# Altium PCB bqZUM_Core_Rev.2.6.PcbDoc (part 2 of 2)
Units mm, origin at the board's own origin, x right, y up, seen from the top; angles counter-clockwise.
Board outline 70.83 x 53.34 mm, 2 copper layers (Top Layer, Bottom Layer), stack 1.27 mm thick; 121 components, 127 nets, 592 pads, 255 vias.
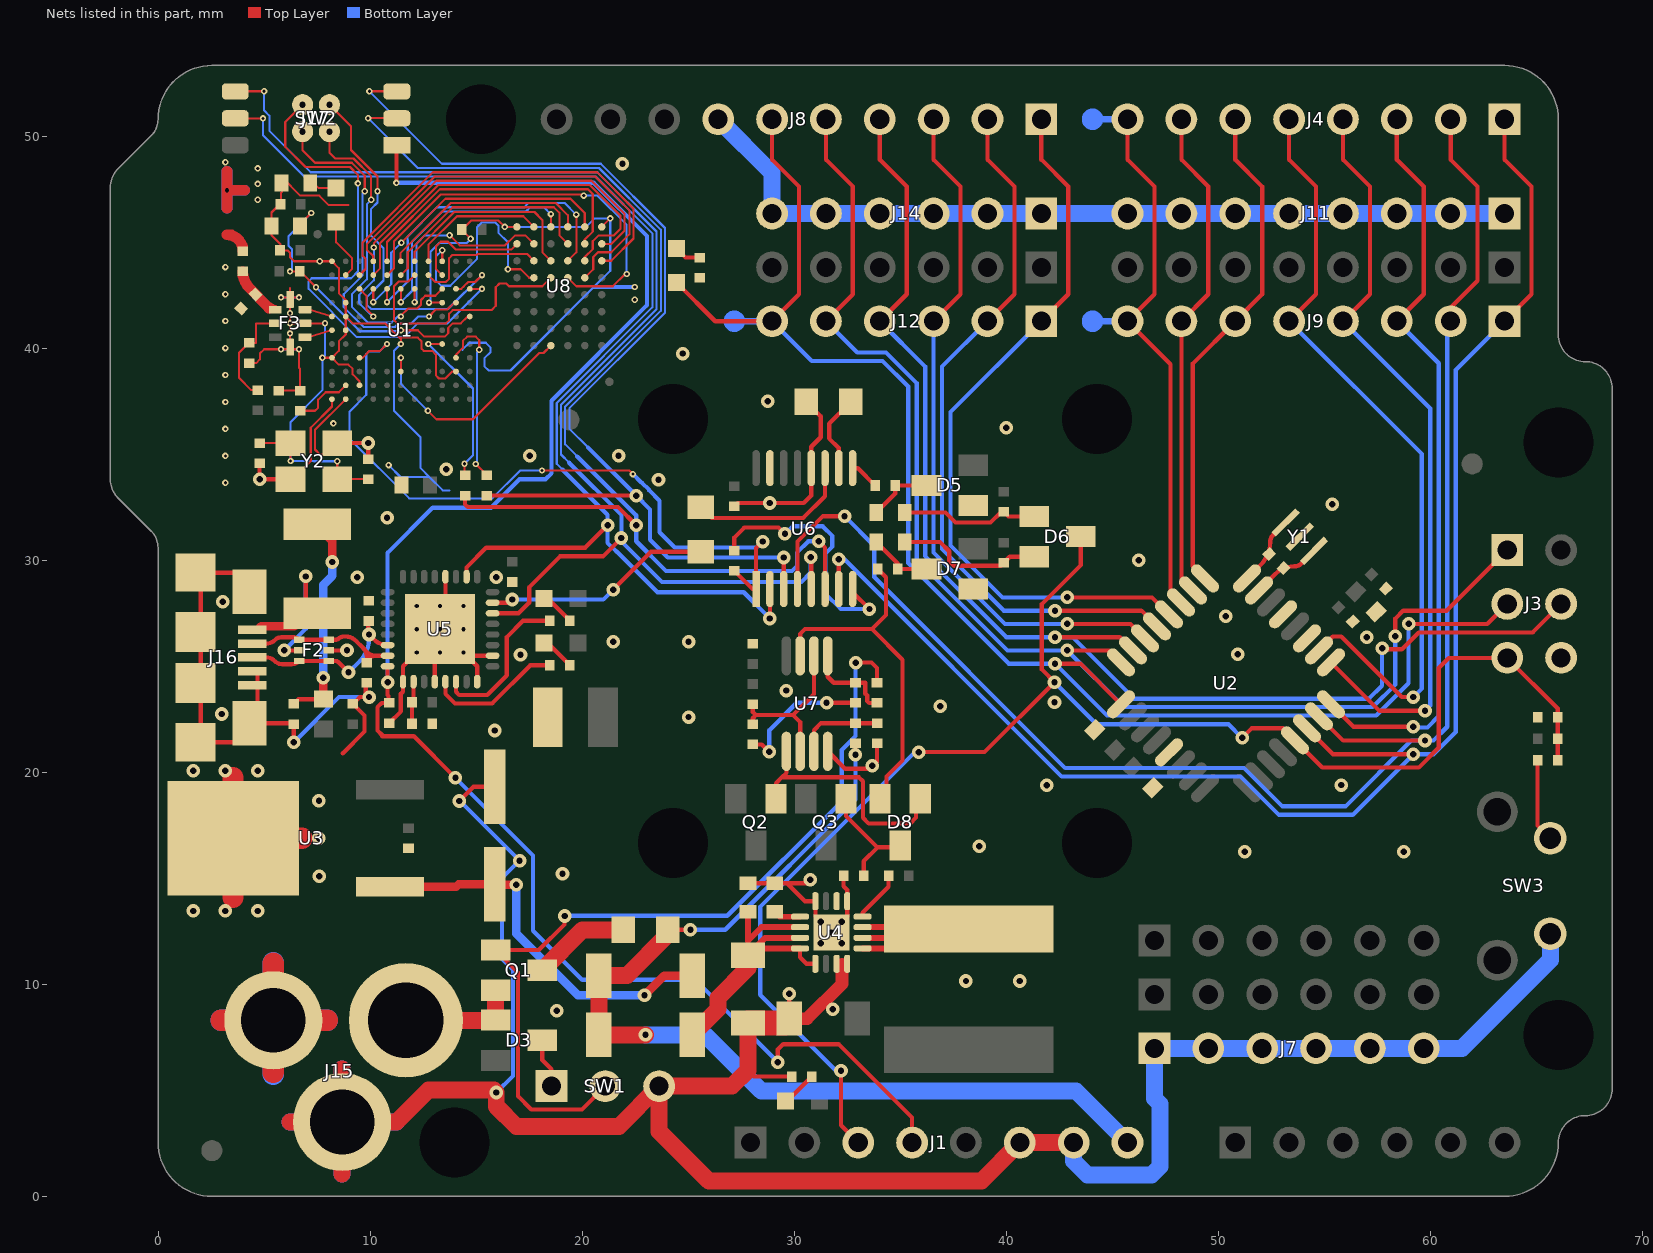
[diagram p2: the nets of this part, all layers, seen from the top]

## Via types
v1: diameter 0.64, hole 0.3, Top Layer to Bottom Layer, 129 vias
v2: diameter 0.3, hole 0.15, Top Layer to Bottom Layer, 110 vias
v3: diameter 0.5, hole 0.2, Top Layer to Bottom Layer, 9 vias
v4: diameter 0.5, hole 0.3, Top Layer to Bottom Layer, 5 vias
v5: diameter 0.56, hole 0.3, Top Layer to Bottom Layer, 2 vias

## Nets (pads, with @x,y where several pads share a name; then routed paths per layer and width w, separated by ;. In a path a pad name is that pad's centre, name@x,y a point inside that pad or via, vN(x,y) a via of type N, cw(c..) or ccw(c..) an arc to the next point about the centre after c; other vN are vias at no path point) (continued)
BT_CLK: J17.2 U1.C10 | length 18.7
  Top Layer w0.1: J17.2@8.085,51.485 9.1,50.47 9.1,49.349 10.35,48.099 v2(10.35,47.4) ; U1.C10@14.05,42.8 14.3,42.8 14.415,42.915 14.415,42.918 14.622,43.125 14.95,43.125 v2(15.275,43.45)
  Bottom Layer w0.1: v2(10.35,47.4) 10.35,46.876 10.049,46.575 10.049,45.3 10.635,44.714 10.635,43.195 9.85,42.41 9.85,42.05 10.05,41.85 13.675,41.85 v2(15.275,43.45)
BT_CSB: J17.1 U1.C11 | length 24.4
  Top Layer w0.1: J17.1@6.815,51.485 6,50.67 6,49.5 6.95,48.55 9.05,48.55 9.425,48.175 v2(9.425,47.775) ; U1.C11@14.7,42.8 v2(15.275,42.8)
  Bottom Layer w0.1: v2(9.425,47.775) 9.425,43.617 9.108,43.3 7.25,43.3 7.1,43.15 7.1,42.801 9.376,40.525 11.6,40.525 12.249,41.174 13.649,41.174 v2(15.275,42.8)
BT_MISO: J17.4 U1.C9 | length 15.3
  Top Layer w0.1: J17.4@8.085,50.215 8.085,49.215 8.35,48.95 9.216,48.95 10.05,48.116 v2(10.05,47) ; v2(11.45,41.5) 11.45,41.525 11.8,41.875 12.224,41.875 12.4,42.051 12.4,42.275 12.6,42.475 13.075,42.475 U1.C9@13.4,42.8
  Bottom Layer w0.1: v2(10.05,47) 9.849,46.799 9.849,43.25 9.142,42.543 9.142,41.958 9.9,41.2 11,41.2 11.3,41.5 v2(11.45,41.5)
BT_MOSI: J17.3 U1.D10 | length 17.1
  Top Layer w0.1: J17.3@6.815,50.215 6.815,49.335 7.4,48.75 9.133,48.75 9.75,48.133 v2(9.75,47.4) ; v2(12.775,41.5) 13.1,41.825 13.642,41.825 13.967,42.15 U1.D10@14.05,42.15
  Bottom Layer w0.1: v2@9.75,47.45 v2(9.75,47.4) 9.649,47.299 9.649,43.443 8.76,42.554 8.76,41.94 9.7,41 11.176,41 11.351,41.175 11.95,41.175 12.275,41.5 v2(12.775,41.5)
BT_RX: R3.2 SW2.3 U6.3 | length 51.1
  Top Layer w0.1: v2(9.965,52.12) SW2.3@11.11,52.12
  Top Layer w0.2: R3.2@15.497,33.05 v1(22.55,33.05) ; U6.3@29.505,28.646 v1(29.505,30.132)
  Bottom Layer w0.1: v2(9.965,52.12) 13.385,48.7 20.879,48.7 23.91,45.669 23.91,41.679 19.4,37.169 19.4,36.2 20.28,35.32
  Bottom Layer w0.2: 20.28,35.32 v1(22.55,33.05) 23.2,32.4 23.2,30.97 24.038,30.132 v1(29.505,30.132)
BT_TX: R27.2 SW2.2 U6.6 | length 56.5
  Top Layer w0.1: v2(9.905,50.85) SW2.2@11.11,50.85
  Top Layer w0.2: R27.2@14.478,33.053 14.478,32.639 14.605,32.512 21.688,32.512 v1(22.55,31.65) ; v1(31.15,30.9) 31.455,30.595 U6.6@31.455,28.646
  Bottom Layer w0.1: v2(9.905,50.85) 12.255,48.5 20.796,48.5 23.71,45.586 23.71,41.762 19.2,37.252 19.2,35.47 19.77,34.9
  Bottom Layer w0.2: 19.77,34.9 22.55,32.12 v1(22.55,31.65) 22.55,30.9 23.95,29.5 29.9,29.5 30.129,29.729 30.129,30.361 30.668,30.9 v1(31.15,30.9)
D0: J4.1 J9.1 U2.30 U6.7 | length 73.5
  Top Layer w0.2: U6.7@32.105,28.646 v1@32.105,30.045 ; U2.30@54.183,22.076 55.409,20.85 v1(59.2,20.85) ; J9.1@63.5,41.275 64.77,42.545 64.77,47.625 63.5,48.895 J4.1@63.5,50.8
  Bottom Layer w0.2: v1(32.1,30.05) 32.369,30.05 42.614,19.805 51.052,19.805 52.862,17.995 56.345,17.995 v1(59.2,20.85) 60.15,20.85 61.2,21.9 61.2,38.975 J9.1@63.5,41.275
D1: J4.2 J9.2 U2.31 U6.4 | length 76.7
  Top Layer w0.2: U6.4@30.155,28.646 30.155,30.881 31.355,32.081 v1(32.375,32.081) ; U2.31@54.749,22.641 55.89,21.5 v1(59.75,21.5) ; J9.2@60.96,41.275 60.96,41.91 62.23,43.18 62.23,47.625 60.96,48.895 J4.2@60.96,50.8
  Bottom Layer w0.2: v1(32.375,32.081) 33.776,30.68 33.776,29.208 42.779,20.205 51.217,20.205 53.028,18.395 55.995,18.395 59.1,21.5 v1(59.75,21.5) ; v1@59.725,21.475 v1(59.75,21.5) ; J9.2@60.96,41.275 60.8,41.115 60.8,22.15 60.15,21.5 v1(59.75,21.5)
D2: J4.3 J9.3 U2.32 | length 35.8
  Top Layer w0.2: U2.32@55.315,23.207 56.372,22.15 v1(59.2,22.15) ; J9.3@58.42,41.275 59.69,42.545 59.69,47.625 58.42,48.895 J4.3@58.42,50.8
  Bottom Layer w0.2: J9.3@58.42,41.275 60.4,39.295 60.4,22.65 59.87,22.12 59.23,22.12 v1(59.2,22.15)
D3: J4.4 J9.4 U2.1 | length 36.1
  Top Layer w0.2: U2.1@55.315,25.187 57.602,22.9 v1(59.75,22.9) ; J9.4@55.88,41.275 57.15,42.545 57.15,47.625 55.88,48.895 J4.4@55.88,50.8
  Bottom Layer w0.2: J9.4@55.88,41.275 60,37.155 60,23.15 v1(59.75,22.9)
D4: J4.5 J9.5 U2.2 | length 37
  Top Layer w0.2: J9.5@53.34,41.275 54.61,42.545 54.61,47.625 53.34,48.895 J4.5@53.34,50.8 ; U2.2@54.749,25.753 55.396,26.4 55.8,26.4 58.65,23.55 v1(59.2,23.55)
  Bottom Layer w0.2: J9.5@53.34,41.275 59.6,35.015 59.6,23.95 v1(59.2,23.55)
D5: J4.6 J9.6 U2.9 | length 23.8
  Top Layer w0.2: U2.9@49.375,29.147 48.8,29.722 48.8,39.275 J9.6@50.8,41.275 52.07,42.545 52.07,47.625 50.8,48.895 J4.6@50.8,50.8
D6: J4.7 J9.7 U2.10 | length 23.5
  Top Layer w0.2: J4.7@48.26,50.8 48.26,48.895 49.53,47.625 49.53,42.545 J9.7@48.26,41.275 48.26,29.13 U2.10@48.809,28.581
D7: J4.8 J9.8 U2.11 | length 31.4
  Top Layer w0.2: J4.8@45.72,50.8 45.72,48.895 46.99,47.625 46.99,42.545 J9.8@45.72,41.275 47.75,39.245 47.75,28.509 U2.11@48.244,28.015
  Bottom Layer w0.3: 44.069,41.275 J9.8@45.72,41.275 ; 44.069,50.8 J4.8@45.72,50.8
  Bottom Layer w0.5: 44.323,41.275 ccw(c44.069,41.275) 44.323,41.275 ; 44.323,50.8 ccw(c44.069,50.8) 44.323,50.8
D8: J8.1 J12.1 U2.12 | length 35.2
  Top Layer w0.2: J12.1@41.197,40.816 J12.1@41.656,41.275 42.926,42.545 42.926,47.625 41.656,48.895 J8.1@41.656,50.8 ; v1(42.875,28.25) 46.878,28.25 U2.12@47.678,27.45
  Bottom Layer w0.2: J12.1@41.656,41.275 37.376,36.995 37.376,30.699 39.825,28.25 v1(42.875,28.25)
D9: J8.2 J12.2 U2.13 | length 33.9
  Top Layer w0.2: J12.2@39.116,41.275 40.386,42.545 40.386,47.625 39.116,48.895 J8.2@39.116,50.8 ; v1(42.3,27.625) 46.371,27.625 U2.13@47.112,26.884
  Bottom Layer w0.2: J12.2@39.116,41.275 36.976,39.135 36.976,30.534 39.885,27.625 v1(42.3,27.625)
D10: J8.3 J12.3 U2.14 | length 33.1
  Top Layer w0.2: J12.3@36.576,41.275 37.846,42.545 37.846,47.625 36.576,48.895 J8.3@36.576,50.8 ; v1(42.875,27) 45.865,27 U2.14@46.547,26.318
  Bottom Layer w0.2: J12.3@36.576,41.275 36.576,30.368 39.944,27 v1(42.875,27)
D11: J3.4 J8.4 J12.4 U2.15 | length 62.2
  Top Layer w0.2: J12.4@34.036,41.275 35.306,42.545 35.306,47.625 34.036,48.895 J8.4@34.036,50.8 ; v1(42.3,26.375) 45.359,26.375 U2.15@45.981,25.753 ; v1(57.725,25.85) 57.77,25.805 58.657,25.805 59.452,26.6 64.827,26.6 J3.4@66.167,27.94
  Bottom Layer w0.2: J12.4@34.036,41.275 36.176,39.135 36.176,30.202 40.003,26.375 v1(42.3,26.375) 43.127,26.375 46.027,23.475 57.117,23.475 57.725,24.083 v1(57.725,25.85)
D12: J3.1 J8.5 J12.5 U2.16 | length 62.8
  Top Layer w0.2: J12.5@31.496,41.275 32.766,42.545 32.766,47.625 31.496,48.895 J8.5@31.496,50.8 ; v1(42.875,25.75) 44.852,25.75 U2.16@45.415,25.187 ; v1(58.35,26.425) 58.35,27.252 58.718,27.62 60.767,27.62 J3.1@63.627,30.48
  Bottom Layer w0.2: J12.5@31.496,41.275 32.971,39.8 34.331,39.8 35.776,38.355 35.776,30.037 40.063,25.75 v1(42.875,25.75) 45.55,23.075 57.283,23.075 58.35,24.142 v1(58.35,26.425)
D13: D13.A J3.3 J8.6 J12.6 U2.17 | length 75.1
  Top Layer w0.2: D13.A@24.45,43.1 26.275,41.275 J12.6@28.956,41.275 30.226,42.545 30.226,47.625 28.956,48.895 J8.6@28.956,50.8 ; v1(42.3,25.125) 43.497,25.125 U2.17@45.415,23.207 ; v1(58.975,27) 62.687,27 J3.3@63.627,27.94 J3.3@63.25,27.94
  Bottom Layer w0.2: J12.6@28.956,40.894 J12.6@28.956,41.275 30.831,39.4 34.166,39.4 35.376,38.19 35.376,29.871 40.122,25.125 v1(42.3,25.125) 44.75,22.675 57.448,22.675 58.975,24.202 v1(58.975,27)
  Bottom Layer w0.3: 27.051,41.275 27.432,41.275 J12.6@28.956,41.275
  Bottom Layer w0.5: 27.432,41.275 ccw(c27.178,41.275) 27.432,41.275
DQ0: U1.A4 U8.E2 | length 19.7
  Top Layer w0.1: U1.A4@10.15,44.1 10.15,44.35 9.85,44.65 9.85,44.907 13.043,48.1 20.625,48.1 22.225,46.5 22.225,45.375 21.375,44.525 20.75,44.525 20.525,44.3 20.525,43.725 U8.E2@20.125,43.325
DQ1: U1.C4 U8.H2 | length 14.4
  Top Layer w0.1: v2(10.15,42.175) U1.C4@10.15,42.8 ; v2(11.476,44.977) 13.549,47.05 19.45,47.05 20.125,46.375 U8.H2@20.125,45.725
  Bottom Layer w0.1: v2(10.15,42.175) 11,43.025 11,44.501 v2(11.476,44.977)
DQ2: U1.B5 U8.E3 | length 19.7
  Top Layer w0.1: U1.B5@10.8,43.45 11.125,43.775 11.125,45.051 13.324,47.25 20.025,47.25 v2(20.075,47.2) ; U8.E3@19.325,43.325 19.725,42.925 21.45,42.925 22.025,43.5 v2(22.1,43.5)
  Bottom Layer w0.1: v2(20.075,47.2) 20.725,47.2 22.1,45.825 v2(22.1,43.5)
DQ3: U1.A6 U8.H3 | length 10.1
  Top Layer w0.1: U1.A6@11.45,44.1 11.425,44.125 11.425,44.475 13.8,46.85 18.75,46.85 19.325,46.275 U8.H3@19.325,45.725
DQ4: U1.C6 U8.H4 | length 11.6
  Top Layer w0.1: v2(11.45,42.175) 11.45,42.275 U1.C6@11.45,42.8 ; U8.H4@18.525,45.725 v2(18.525,46.325)
  Bottom Layer w0.1: v2(11.45,42.175) 11.976,42.701 11.976,45.026 13.4,46.45 17.35,46.45 17.549,46.649 18.201,46.649 v2(18.525,46.325)
DQ5: U1.B7 U8.E4 | length 11.9
  Top Layer w0.1: U1.B7@12.1,43.45 11.8,43.15 11.35,43.15 11.125,42.925 11.125,41.325 11.275,41.175 13.575,41.175 13.725,41.325 13.725,41.625 13.9,41.8 15.725,41.8 15.925,42 15.925,42.875 16.1,43.05 16.425,43.05 16.55,42.925 18.125,42.925 U8.E4@18.525,43.325
DQ6: U1.A8 U8.H5 | length 6.5
  Top Layer w0.1: U1.A8@12.75,44.1 12.75,44.55 12.75,44.875 14.1,46.225 17.225,46.225 U8.H5@17.725,45.725
DQ7: U1.A9 U8.E5 | length 10.9
  Top Layer w0.1: U1.A9@13.4,44.1 v2(13.4,44.625) ; v2(16.5,43.725) 17.1,43.725 17.5,43.325 U8.E5@17.725,43.325
  Bottom Layer w0.1: v2(13.4,44.625) 13.1,44.325 13.1,43.2 13.35,42.95 13.784,42.95 15.05,44.216 15.05,45.72 15.26,45.93 15.91,45.93 16.05,45.79 16.05,45.45 16.5,45 v2(16.5,43.725)
DQ8: U1.B4 U8.F2 | length 18
  Top Layer w0.1: U1.B4@10.15,43.45 10.475,43.775 10.475,44.966 13.209,47.7 20.358,47.7 21.8,46.258 21.8,45.625 21.5,45.325 20.775,45.325 20.5,45.05 20.5,44.675 20.125,44.3 U8.F2@20.125,44.125
DQ9: U1.A5 U8.G2 | length 14.2
  Top Layer w0.1: U1.A5@10.8,44.1 10.8,45.009 13.291,47.5 20.275,47.5 20.5,47.275 20.5,45.5 20.125,45.125 U8.G2@20.125,44.925
DQ10: U1.C5 U8.F3 | length 15.3
  Top Layer w0.1: v2(10.8,42.175) U1.C5@10.8,42.8 ; U8.F3@19.325,44.125 19.725,44.525 v2(19.725,46.3)
  Bottom Layer w0.1: v2(10.8,42.175) 11.776,43.151 11.776,45.101 11.772,45.105 11.772,45.273 13.149,46.65 17.267,46.65 17.466,46.849 19.176,46.849 v2(19.725,46.3)
DQ11: U1.B6 U8.G3 | length 11
  Top Layer w0.1: U1.B6@11.45,43.45 11.775,43.775 11.775,44.525 13.9,46.65 18.667,46.65 18.925,46.392 18.925,45.325 U8.G3@19.325,44.925
DQ12: U1.A7 U8.F4 | length 9.5
  Top Layer w0.1: U1.A7@12.1,44.1 12.1,44.55 13.975,46.425 17.75,46.425 18.125,46.05 18.125,44.525 U8.F4@18.525,44.125
DQ13: U1.C7 U8.G5 | length 9.7
  Top Layer w0.1: v2(12.1,42.175) U1.C7@12.1,42.8 ; v2@13.775,45.35 v2(13.75,45.325) 14.225,44.85 16.365,44.85 16.84,45.325 17.325,45.325 U8.G5@17.725,44.925
  Bottom Layer w0.1: v2(12.1,42.175) 12.185,42.26 12.185,44.932 12.578,45.325 v2(13.75,45.325)
DQ14: U1.B8 U8.F5 | length 6.4
  Top Layer w0.1: U1.B8@12.75,43.45 13.075,43.125 13.575,43.125 13.725,43.275 13.725,44.25 13.875,44.4 15.025,44.4 15.075,44.45 16.79,44.45 17.4,44.45 U8.F5@17.725,44.125
DQ15: U1.B9 U8.G6 | length 5.7
  Top Layer w0.1: U1.B9@13.4,43.45 13.1,43.75 13.1,44.8 13.325,45.025 13.675,45.025 14.05,44.65 16.65,44.65 U8.G6@16.925,44.925
GND: C1.1 C2.1 C3.1 C4.1 C5.1 C8.2 C9.2 C10.1 C11.1 C12.1 C13.1 C14.1 C15.1 C16.1 C17.1 C18.1 C19.1 C20.1 C21.2 C22.2 C25.2 C26.1 C27.1 C28.1 C29.1 C30.1 C31.1 C32.1 C33.1 C34.1 C35.2 Cp.1 D5.1 D7.1 F2.2 F3.4 F3.6 F3.8 J1.6 J1.7 J3.6 J7.1 J7.2 J7.3 J7.4 J7.5 J7.6 J8.7 J11.1 J11.2 J11.3 J11.4 J11.5 J11.6 J11.7 J11.8 J14.1 J14.2 J14.3 J14.4 J14.5 J14.6 J15.2 J15.3 J16.4 J16.5 J16.S1 J16.S2 J16.S3 J16.S4 J16.S5 J16.S6 R2.1 R4.1 R5.1 R11.1 R12.1 R18.1 R22.1 R24.1 R25.1 R26.1 SW1.3 SW3.2 U1.A1 U1.D2 U1.D9 U1.E2 U1.F2 U1.H1 U1.J10 U1.K3 U2.3 U2.5 U2.21 U3.2 U4.5 U4.6 U4.8 U4.15 U4.16 U5.4 U5.17 U5.20 U5.24 U5.26 U5.33 U6.8 U6.12 U6.15 U7.4 U8.H1 U8.H6 Y1.2 Y2.2 Y2.4 | length 385.9
  Top Layer w0.1: C33.1@4.3,39.3 4.625,39.3 4.8,39.475 4.8,39.75 5,39.95 v2(5.8,39.95) F3.4@6.225,39.95 ; C28.1@4.79,35.525 Y2.4@6.25,35.525 v2(6.25,34.68) v2@6.25,34.67 ; C31.1@5.7,38 C34.1@6.675,38 ; v2(5.8,42.4) F3.8@6.225,42.4 ; C30.1@5.8,46.85 5.35,46.4 5.35,45.325 5.775,44.9 5.775,44.775 5.944,44.606 6.119,44.606 6.225,44.5 6.225,44.295 6.42,44.1 v2(7.625,44.1) U1.A1@8.2,44.1 8.525,43.775 8.525,42.6 8.85,42.275 U1.D2@8.85,42.15 U1.E2@8.85,41.5 ; C30.1@5.8,46.875 5.8,47.325 5.85,47.375 R2.1@5.85,47.8 ; R2.1@5.825,47.8 R2.1@5.85,47.8 ; 6.225,42.842 F3.8@6.225,42.4 ; v2(6.65,42.4) F3.8@6.225,42.4 ; C34.1@6.7,38 6.7,39.025 6.65,39.075 v2(6.65,39.95) F3.4@6.225,39.95 ; v2(7.75,39.55) U1.H1@8.2,39.55 ; v2(7.875,41.175) v2(6.225,41.175) ; v2@8.45,34.72 v2(8.45,34.67) Y2.2@8.45,33.825 C29.1@9.91,33.825 ; 8.97,46.75 8.05,46.75 7.6,47.2 6.7,47.2 5.85,48.05 R2.1@5.85,47.8 ; U1.K3@9.5,38.25 9.5,38.45 9.175,38.775 9.175,39.025 8.975,39.225 8.525,39.225 U1.H1@8.2,39.55 ; v2(11.45,40.2) 11.45,40.425 11.375,40.5 ; v2(12.775,42.15) U1.D9@13.4,42.15 ; U1.J10@14.05,38.9 13.875,38.9 13.55,38.575 13.25,38.575 13.1,38.725 13.1,39.7 12.925,39.875 12.525,39.875 12.425,39.975 12.425,40.325 12.25,40.5 11.375,40.5 ; C35.2@14.325,45.6 C35.2@14.325,45.575 ; v2(14.74,45.16) C35.2@14.325,45.575 ; U8.H6@16.925,45.725 v2(16.35,45.725) 16.05,46.025 14.775,46.025 C35.2@14.325,45.575 ; U8.H1@20.925,45.725 v2(21.325,46.125) ; F3.4@6.225,39.95 v2(6.225,40.7) v2(6.225,41.175) ; v2(6.225,41.175) v2(6.225,41.65) F3.8@6.225,42.4 ; U1.H1@8.2,39.55 8.525,39.875 8.525,40.325 8.85,40.65 8.85,41.175 U1.E2@8.85,41.5 ; U1.E2@8.85,41.5 9.175,41.175 10.7,41.175 11.375,40.5
  Top Layer w0.2: J16.S5@4.562,28.517 3.662,29.417 2.012,29.417 2.012,21.417 3.77,21.417 4.562,22.209 4.562,22.317 C16.1@6.355,22.317 ; J16.S6@4.687,22.442 J16.4@4.687,24.767 ; J15.3@5.434,7.352 J15.3@5.434,8.306 ; v1(6.397,21.413) C16.1@6.397,22.275 ; F2.2@8.05,25.75 v1(8.91,25.75) ; J15.2@8.684,3.506 J15.2@8.684,4.102 ; 8.715,20.9 9.741,21.926 9.741,22.675 C17.1@9.191,23.225 9.516,23.55 v1(9.95,23.55) 9.8,23.7 C19.1@9.8,24.325 ; C21.2@10.9,22.325 11.45,22.875 11.45,23.7 11.55,23.8 11.55,25 v3(13.3,26.75) ; U5.20@13.05,24.275 13.05,25.4 v3(13.3,25.65) ; U5.4@13.55,29.225 13.55,28.1 v3(13.3,27.85) ; v1(14.206,18.649) 14.875,19.318 C8.2@15.875,19.318 ; U5.24@15.05,24.275 15.05,25 U5.33@14.55,25.5 ; U5.26@15.775,25.5 U5.33@14.55,25.5 ; R12.1@27.178,30.447 27.178,31.078 27.65,31.55 29.26,31.55 v1(29.565,31.245) ; C22.2@27.178,32.545 27.333,32.7 30.45,32.7 30.805,33.055 U6.12@30.805,34.346 30.805,35.355 31.25,35.8 31.25,36.788 R11.1@30.573,37.465 ; 27.813,5.939 28.102,5.65 R5.1@29.875,5.65 ; C12.1@27.813,14.772 C13.1@29.083,14.772 29.654,14.772 ; R24.1@28.044,21.315 28.473,21.315 v1(28.821,20.967) ; C14.1@29.769,8.382 v1(29.77,9.557) ; v1@30.594,14.772 29.654,14.772 ; v4(31.25,12.946) 31,13.196 U4.8@31,13.921 30.505,13.921 29.654,14.772 ; v1(31.526,23.28) R25.1@32.887,23.28 ; U7.4@31.582,20.991 32.41,20.163 33.585,20.163 33.911,20.489 R22.1@33.911,21.369 ; R26.1@32.327,15.125 32.327,14.624 32.5,14.451 U4.5@32.5,13.921 U4.16@32.5,13.196 ; U6.8@32.755,28.646 32.755,28.495 v1(33.55,27.7) ; v3(12.2,27.85) v3(13.3,26.75) ; v3(12.2,27.85) v3(12.2,26.75) v3(13.3,26.75) ; v3(12.2,27.85) v3(13.3,27.85) ; v3(13.3,25.65) v3(14.4,25.65) ; v3(13.3,25.65) v3(13.3,26.75) ; v3(13.3,26.75) v3(14.4,25.65) ; v3(13.3,26.75) v3(13.3,27.85) ; v3(13.3,27.85) v3(14.4,27.85) v3(14.4,26.75) v3(14.4,25.65) ; v3(14.4,25.65) U5.33@14.55,25.5
  Top Layer w0.5: 3.25,46.607 3.25,47.45 ; 3.25,48.345 3.25,47.45 ; 4.08,47.45 3.25,47.45
  Top Layer w0.6: C14.1@29.769,8.382 30.607,8.382 32.25,10.025 32.25,10.935
  Top Layer w0.8: 6.224,3.506 J15.2@8.684,3.506 ; 8.684,1.046 J15.2@8.684,3.506 ; J15.2@8.684,4.102 8.684,6.003 ; 13.049,5.018 13.047,5.016 ; C11.1@27.813,8.179 27.813,5.939 27.074,5.2 SW1.3@23.63,5.2 ; J1.7@43.18,2.54 J1.6@40.64,2.54 38.827,0.727 25.973,0.727 23.63,3.07 SW1.3@23.63,5.2 ; J15.2@8.684,3.506 11.25,3.506 12.76,5.016 13.047,5.016 ; 13.047,5.016 15.834,5.016 v1(15.95,4.9) 15.95,4.25 16.9,3.3 21.73,3.3 SW1.3@23.63,5.2
  Top Layer w1: 2.974,8.306 J15.3@5.434,8.306 ; 3.539,14.097 U3.2@3.539,16.891 ; 3.539,19.741 U3.2@3.539,16.891 ; 5.434,5.846 J15.3@5.434,7.352 ; 5.434,10.995 J15.3@5.434,8.306 ; 6.789,16.891 U3.2@3.539,16.891 ; 7.994,8.306 J15.3@5.434,8.306
  Top Layer w1.2: C11.1@27.813,8.179 C14.1@29.566,8.179
  Bottom Layer w0.1: v2(5.8,39.95) 6.225,39.95 ; v2(5.8,42.4) 6.225,42.4 ; v2(6.65,39.95) 6.225,39.95 ; v2(6.65,42.4) 6.225,42.4 ; v2(7.875,41.175) 7.875,39.675 v2(7.75,39.55) 7.75,38.025 6.25,36.525 v2(6.25,34.68) 7.35,34.68 7.36,34.67 v2(8.45,34.67) ; v2(10.873,34.487) 11.431,33.929 12.796,33.929 ; v2(11.45,40.2) 11.125,39.875 11.125,37.05 12.381,35.794 12.381,34.344 12.796,33.929 ; v2(12.775,42.15) 12.85,42.225 12.85,44.55 13.27,44.97 14.57,44.97 14.74,45.14 v2(14.74,45.16) ; 13.75,33.3 13.425,33.3 12.796,33.929 ; 14.35,39.925 14.685,40.26 15.455,40.26 15.685,40.03 15.685,39.82 15.39,39.525 15.39,39.15 15.59,38.95 16.62,38.95 20.555,42.885 21.325,43.655 v2(21.325,46.125) 20.6,46.125 ; v2(16.35,45.725) 20.2,45.725 20.6,46.125 ; 20.575,46.125 20.6,46.125 ; 6.225,39.95 v2(6.225,40.7) v2(6.225,41.175) v2(6.225,41.65) 6.225,42.4
  Bottom Layer w0.2: v1(6.397,21.413) 8.534,23.55 v1(9.95,23.55) v1@10.048,23.55 ; v1(14.206,18.649) 14.237,18.649 v1(17.048,15.838) 16.225,15.015 16.225,11.191 16.734,10.682 16.734,5.684 v1(15.95,4.9) ; 20.555,42.885 v2(22.48,42.885) ; v1(28.821,20.967) 28.821,21.98 30.121,23.28 v1(31.526,23.28) ; v1(29.565,31.245) 29.92,31.6 31.35,31.6 31.8,31.15 31.8,30.65 31.46,30.31 31.46,28.44 32.2,27.7 v1(33.55,27.7)
  Bottom Layer w0.5: 3.25,46.606 3.25,47.45 ; 3.25,48.345 3.25,47.45 ; 4.081,47.45 3.25,47.45
  Bottom Layer w0.8: 6.224,3.506 J15.2@8.684,3.506 ; 8.684,1.046 J15.2@8.684,3.506 ; 8.684,6.003 J15.2@8.684,3.506 ; 11.244,3.506 J15.2@8.684,3.506 ; J8.7@26.416,50.8 28.956,48.26 J14.6@28.956,46.355 J14.5@31.496,46.355 J14.4@34.036,46.355 J14.3@36.576,46.355 J14.2@39.116,46.355 J14.1@41.656,46.355 J11.8@45.72,46.355 J11.7@48.26,46.355 J11.6@50.8,46.355 J11.5@53.34,46.355 J11.4@55.88,46.355 J11.3@58.42,46.355 J11.2@60.96,46.355 J11.1@63.5,46.355 ; J1.7@43.18,2.54 43.18,1.665 43.84,1.005 46.844,1.005 47.244,1.405 47.244,4.356 46.99,4.61 J7.1@46.99,6.985 J7.2@49.53,6.985 J7.3@52.07,6.985 J7.4@54.61,6.985 J7.5@57.15,6.985 J7.6@59.69,6.985 61.501,6.985 65.659,11.143 SW3.2@65.659,12.391
  Bottom Layer w1: 2.974,8.306 J15.3@5.434,8.306 ; 5.434,5.758 J15.3@5.434,8.306 ; 5.434,11.022 J15.3@5.434,8.306 ; 7.994,8.306 J15.3@5.434,8.306
  other v1: 18.796,8.763 31.823,8.822 38.1,10.16 40.64,10.16 1.651,13.462 3.175,13.462 4.699,13.462 30.751,14.929 7.608,15.105 19.075,15.225 51.25,16.25 58.75,16.25 38.733,16.513 7.588,16.896 7.587,18.661 41.907,19.397 55.8,19.4 1.651,20.083 3.175,20.083 4.699,20.083 33.688,20.304 15.875,21.971 25.019,22.606 3,22.75 36.891,23.116 42.275,23.3 29.62,23.856 17.094,25.542 50.922,25.573 21.463,26.162 25.019,26.162 57.007,26.365 50.352,27.356 3.05,28.05 9.4,29.2 15.95,29.2 46.25,30 10.8,32.007 55.372,32.639 28.85,32.7 23.6,33.8 13.589,34.29 17.531,34.928 21.717,34.925 40,36.25 28.75,37.5 24.75,39.75 21.9,48.7
  other v2: 3.175,33.655 3.175,34.925 3.175,36.195 8.27,36.455 3.175,37.465 3.175,38.735 3.175,40.005 3.175,41.283 22.479,42.291 3.175,42.545 3.175,43.825 4.7,47 4.7,47.75 4.699,48.483 3.175,48.768
  other v3: 12.2,25.65
  other v4: 31.25,11.946 32.25,11.946 31.75,12.446 32.25,12.946
NetAE1_FEED: AE1.FEED Cs.1 | length 1.8
  Top Layer w0.254: 3.493,45.471 cw(c2.813,44.095) 3.837,45.238 ; 4.05,44.946 ccw(c4.893,45.285) 4.123,44.803
  Top Layer w0.5: AE1.FEED@3.25,45.35 cw(c3.25,44.6) Cs.1@4,44.6
NetC8_1: C8.1 D2.K U3.1 | length 18.2
  Top Layer w0.4: U3.1@10.939,14.601 14.052,14.601 14.169,14.718 C8.1@15.875,14.718 ; C8.1@15.897,14.696 v1(16.889,14.696) ; v1(22.941,9.484) 23.871,10.414 D2.K@25.187,10.414
  Bottom Layer w0.4: v1(16.889,14.696) 16.889,12.396 19.801,9.484 v1(22.941,9.484)
NetC11_2: C11.2 C12.2 D4.K U4.10 U4.11 U4.12 U4.13 | length 16.3
  Top Layer w0.2: 27.813,12.047 C11.2@27.813,11.379 C11.2@28.13,11.696 ; U4.12@30.275,11.696 30.275,11.276 30.58,10.971 U4.13@31,10.971
  Top Layer w0.28: C12.2@27.813,13.422 27.813,12.047 28.462,12.696 U4.10@30.275,12.696 ; U4.12@30.275,11.696 28.13,11.696 28.63,12.196 U4.11@30.275,12.196
  Top Layer w0.8: D4.K@25.187,7.112 D4.K@25.187,7.603 ; D4.K@25.187,7.62 26.399,8.832 26.399,9.365 27.813,10.779 C11.2@27.813,11.379
NetC13_2: C13.2 U4.9 | length 1
  Top Layer w0.254: C13.2@29.309,13.196 U4.9@30.275,13.196
NetC16_2: C16.2 F1.2 L3.1 | length 10.7
  Top Layer w0.2: C16.2@6.397,23.225 6.622,23.45 L3.1@7.794,23.45
  Top Layer w0.4: F1.2@7.49,32.15 7.49,31.626 8.22,30.896 v1(8.22,29.92) ; L3.1@7.794,23.45 v1(7.794,24.464)
  Bottom Layer w0.4: v1(7.794,24.464) 7.794,28.845 8.22,29.271 v1(8.22,29.92)
NetC18_2: C18.2 R7.1 U5.18 | length 2
  Top Layer w0.2: C18.2@11.975,22.3 R7.1@11.975,23.3 12.05,23.375 U5.18@12.05,24.275
NetC23_1: C23.1 D5.3 R14.2 | length 3.1
  Top Layer w0.2: C23.1@33.869,32.258 34.765,33.154 R14.2@34.765,33.528 D5.3@36.238,33.528
NetC23_2: C23.2 D6.1 R13.1 | length 6.6
  Top Layer w0.2: C23.2@35.219,32.258 37.134,32.258 37.614,31.778 39.262,31.778 39.775,32.291 R13.1@39.878,32.291 40.104,32.065 D6.1@41.318,32.065
NetC24_1: C24.1 D7.3 R19.2 | length 3
  Top Layer w0.2: C24.1@33.869,30.861 34.892,29.838 R19.2@34.892,29.591 D7.3@36.238,29.591
NetC24_2: C24.2 D6.2 R17.1 | length 7
  Top Layer w0.2: C24.2@35.219,30.861 36.882,30.861 37.315,30.428 37.315,29.971 37.545,29.741 39.741,29.741 R17.1@39.878,29.878 40.165,30.165 D6.2@41.318,30.165
NetC28_2: C28.2 U1.L1 Y2.1 | length 6.8
  Top Layer w0.1: Y2.1@6.25,33.825 6.35,33.825 7.2,34.675 7.2,36.25 8.2,37.25 U1.L1@8.2,37.6
  Top Layer w0.2: C28.2@4.79,34.575 v1(4.79,33.83) 4.795,33.825 Y2.1@6.25,33.825
NetC29_2: C29.2 U1.L2 Y2.3 | length 6.5
  Top Layer w0.1: Y2.3@8.45,35.525 8.45,35.475 7.95,34.975 7.65,34.975 7.4,35.225 7.4,36.15 U1.L2@8.85,37.6
  Top Layer w0.2: Y2.3@8.505,35.53 v1(9.91,35.53) C29.2@9.91,34.775
NetC32_2: C32.2 R1.1 U1.E11 | length 14.4
  Top Layer w0.1: v2(6.225,43.625) R1.1@6.675,43.625 ; C32.2@6.675,45.75 C32.2@6.7,45.775 6.7,45.855 v2(7.225,46.38) ; R1.1@6.725,43.6 v2(7.45,42.875) ; v2(11.45,40.85) 12.25,40.85 12.55,40.55 13.525,40.55 13.685,40.71 13.685,40.96 13.9,41.175 14.275,41.175 14.6,41.5 U1.E11@14.7,41.5
  Bottom Layer w0.1: v2(6.225,43.625) 6.325,43.725 6.325,44.657 6.15,44.832 6.15,45.285 7.225,46.36 v2(7.225,46.38) ; v2(7.45,42.875) 9.525,40.8 11.4,40.8 v2(11.45,40.85)
NetC33_2: C33.2 F3.2 L4.1 | length 5.1
  Top Layer w0.1: C33.2@4.125,40.25 4.625,40.25 4.625,41.175 F3.2@5.325,41.175 ; C33.2@4.275,40.25 3.825,39.8 3.825,38.6 4.4,38.025 L4.1@4.7,38.025
NetC34_2: C34.2 U1.K2 | length 2.9
  Top Layer w0.1: C34.2@6.7,37.05 7.4,37.05 7.55,37.2 7.55,37.575 7.9,37.925 8.525,37.925 U1.K2@8.85,38.25
NetCp_2: Cp.2 Cs.2 F3.1 | length 3.8
  Top Layer w0.254: 3.877,43.4 ccw(c5.474,43.872) Cp.2@4.426,42.578 ; 5.116,42.195 ccw(c5.824,42.761) F3.1@5.647,41.872
  Top Layer w0.5: Cs.2@4,43.6 ccw(c5.086,43.6) 4.317,42.833 ; 4.304,42.847 5.217,41.899
NetD3_1: D3.1 J15.1 Q1.2 | length 5.6
  Top Layer w0.8: J15.1@11.684,8.306 15.911,8.306 15.919,8.314 Q1.2@15.919,9.718
NetD3_3: D3.3 SW1.1 | length 2.3
  Top Layer w0.2: D3.3@18.12,7.365 18.12,6.43 18.55,6 SW1.1@18.55,5.2
NetD8_1: D8.1 Q2.1 U7.1 | length 11.6
  Top Layer w0.2: Q2.1@29.144,18.753 29.144,19.487 29.43,19.773 ; U7.1@29.632,20.991 29.632,19.975 29.43,19.773 ; D8.1@35.748,18.661 35.748,17.864 35.476,17.592 33.513,17.592 33.246,17.859 33.246,19.577 33.06,19.763 31.225,19.763 31.222,19.766 30.065,19.766 30.058,19.773 29.43,19.773
NetD8_2: D8.2 R19.1 U7.7 | length 16.8
  Top Layer w0.2: U7.7@30.282,25.491 30.282,26.529 30.508,26.755 33.67,26.755 ; R19.1@33.942,29.591 34.332,29.201 34.332,27.417 33.67,26.755 ; D8.2@34.356,18.661 34.356,19.805 35.113,20.562 35.113,25.312 33.67,26.755
NetD8_3: D8.3 Q3.1 R26.2 | length 5.7
  Top Layer w0.2: Q3.1@32.446,18.753 32.446,17.946 33.931,16.461 ; R26.2@33.277,15.125 33.277,15.807 33.931,16.461 ; D8.3@35.158,16.461 33.931,16.461
NetD13_K: D13.K R4.2 | length 1.3
  Top Layer w0.2: D13.K@24.45,44.7 24.875,44.275 R4.2@25.55,44.275
NetF1_1: F1.1 F2.5 J16.1 | length 9.7
  Top Layer w0.2: v1(5.95,25.75) F2.5@6.65,25.75 ; v1(6.961,29.238) 6.961,27.95 7.49,27.95 F1.1@7.32,27.78
  Top Layer w0.4: J16.1@4.687,26.717 4.858,26.888 6.428,26.888 F1.1@7.32,27.78
  Bottom Layer w0.2: v1(5.95,25.75) 6.961,26.761 v1(6.961,29.238)
NetF3_5: F3.5 U1.F1 | length 1.1
  Top Layer w0.1: F3.5@7.125,40.525 U1.F1@8.2,40.85
NetF3_7: F3.7 U1.E1 | length 1.1
  Top Layer w0.1: F3.7@7.125,41.825 U1.E1@8.2,41.5
NetL1_1: L1.1 Q1.3 | length 4.6
  Top Layer w0.8: Q1.3@18.119,10.668 20.023,12.573 L1.1@21.937,12.573
NetL2_1: L2.1 U4.1 U4.2 U4.3 | length 13.6
  Top Layer w0.28: U4.1@33.225,11.696 L2.1@37.316,11.696 ; U4.2@33.225,12.196 L2.1@37.816,12.196 ; U4.3@33.225,12.696 L2.1@38.144,12.696
NetLD1_A: LD1.A U1.B2 | length 2.9
  Top Layer w0.1: LD1.A@8.4,45.925 8.4,45 9.15,44.25 9.15,43.75 U1.B2@8.85,43.45
NetLD1_K: LD1.K R2.2 | length 1.8
  Top Layer w0.1: R2.2@7.175,47.95 7.575,47.55 LD1.K@8.4,47.55 ; LD1.K@8,47.55 LD1.K@8.425,47.55
NetPWR_K: PWR.K R5.2 | length 1.7
  Top Layer w0.2: PWR.K@29.6,4.5 29.675,4.5 R5.2@30.825,5.65
NetQ1_1: Q1.1 R23.2 SW1.2 | length 40.2
  Top Layer w0.2: v1(19.175,13.225) 19.166,13.234 19.166,12.829 17.955,11.618 Q1.1@15.919,11.618 16.972,10.565 16.972,4.728 17.6,4.1 19.99,4.1 SW1.2@21.09,5.2 ; v1(32.897,25.174) 33.646,25.174 33.906,24.914 R23.2@33.906,24.224
  Bottom Layer w0.2: v1@19.184,13.234 26.843,13.234 32.24,18.631 32.24,21.052 32.897,21.709 v1(32.897,25.174)
NetR3_1: R3.1 U1.H10 | length 8.5
  Top Layer w0.1: U1.H10@14.05,39.55 14.05,39.7 14.375,40.025 14.375,40.35 14.575,40.55 14.98,40.55 15.15,40.38 v2(15.15,39.93) ; v2(14.986,34.544) R3.1@15.494,34.036
  Bottom Layer w0.1: v2@15.05,34.544 15.05,39.83 v2(15.15,39.93)
NetR6_1: R6.1 U4.4 | length 2.4
  Top Layer w0.2: U4.4@33.225,13.196 33.225,13.38 34.45,14.605 R6.1@34.45,15.125
NetR8_1: R8.1 U5.22 | length 7.5
  Top Layer w0.2: U5.22@14.05,24.275 14.05,23.8 14.2,23.65 15.522,23.65 16.45,24.578 16.45,26.385 17.215,27.15 R8.1@18.475,27.15
NetR8_2: R8.2 RX.K | length 1.7
  Top Layer w0.2: RX.K@18.2,28.2 18.375,28.2 R8.2@19.425,27.15
NetR9_1: R9.1 U5.21 | length 6.4
  Top Layer w0.2: U5.21@13.55,24.275 13.55,23.7 14,23.25 15.757,23.25 17.557,25.05 R9.1@18.475,25.05
NetR9_2: R9.2 TX.K | length 1.7
  Top Layer w0.2: TX.K@18.2,26.1 18.375,26.1 R9.2@19.425,25.05
NetR10_1: R10.1 U5.31 | length 10.8
  Top Layer w0.2: U5.31@15.775,28 16.55,28 v1(16.7,28.15) ; v1(21.463,28.613) 23.25,30.4 R10.1@25.6,30.4
  Bottom Layer w0.2: v1(16.7,28.15) 21,28.15 v1(21.463,28.613)
NetR10_2: R10.2 U6.11 | length 7.8
  Top Layer w0.2: R10.2@25.6,32.5 26.109,31.991 30.424,31.991 31.455,33.022 U6.11@31.455,34.346
NetR11_2: R11.2 U6.10 | length 3.7
  Top Layer w0.2: U6.10@32.105,34.346 32.105,35.295 31.65,35.75 31.65,36.442 R11.2@32.673,37.465
NetR12_2: R12.2 U1.H3 U6.1 | length 34.5
  Top Layer w0.1: U1.H3@9.5,39.55 9.65,39.55 9.975,39.875 10.475,39.875 v2(10.8,40.2) ; v2(18.105,34.235) 22.225,34.235 v2(22.395,34.065)
  Top Layer w0.2: R12.2@27.178,29.497 28.029,28.646 U6.1@28.205,28.646 28.205,30.577 v1(28.512,30.884)
  Bottom Layer w0.1: v2(10.8,40.2) 10.45,39.85 9.95,39.85 9.82,39.72 9.82,37.8 9.025,37.005 9.025,35.735 11.84,32.92 15.76,32.92 17.075,34.235 v2(18.105,34.235)
  Bottom Layer w0.2: v2(22.395,34.065) 22.79,33.67 22.807,33.67 23.17,33.307 23.17,33.29 23.65,32.81 23.65,31.32 24.37,30.6 28.228,30.6 v1(28.512,30.884)
NetR14_1: R14.1 U6.9 | length 1.4
  Top Layer w0.2: U6.9@32.755,34.346 32.997,34.346 R14.1@33.815,33.528
NetR16_1: R16.1 SW3.1 | length 3.9
  Top Layer w0.2: R16.1@65.057,20.574 65.057,17.493 SW3.1@65.659,16.891
NetR20_1: R20.1 R22.2 U7.3 | length 4.1
  Top Layer w0.2: U7.3@30.932,20.991 30.932,21.983 31.267,22.318 R22.2@33.911,22.319
NetR21_1: R21.1 R24.2 U7.2 U7.6 | length 7.9
  Top Layer w0.2: R24.2@28.044,22.265 28.044,22.55 28.194,22.7 ; R21.1@28.044,23.215 28.044,22.85 28.194,22.7 ; U7.2@30.282,20.991 30.282,22.37 29.952,22.7 ; U7.6@30.932,25.491 30.932,23.68 29.952,22.7 ; 28.194,22.7 29.952,22.7
NetR23_1: R23.1 R25.2 U7.5 | length 4.3
  Top Layer w0.2: U7.5@31.582,25.491 31.582,24.508 31.866,24.224 R25.2@32.893,24.224 33.356,24.224 33.356,23.71 33.443,23.623 33.443,23.367 33.536,23.274 R23.1@33.906,23.274
NetR27_1: R27.1 U1.G9 | length 7.9
  Top Layer w0.1: v2(12.75,40.2) U1.G9@13.4,40.2 ; R27.1@14.45,34.031 v2(14.45,34.55)
  Bottom Layer w0.1: v2(12.75,40.2) 14.85,38.1 14.85,34.95 v2(14.45,34.55)
NetR28_1: R28.1 U2.8 Y1.1 | length 2.5
  Top Layer w0.2: U2.8@51.355,29.147 52.014,29.806 ccw(c50.959,30.861) 52.451,30.861 cw(c52.935,30.861) 52.593,31.203
NetR28_2: R28.2 U2.7 Y1.3 | length 2.5
  Top Layer w0.2: U2.7@51.921,28.581 52.678,29.339 cw(c53.594,28.423) 53.594,29.718 ccw(c53.594,30.202) 53.936,29.86
NetU1_B3: U1.B3 U8.F1 | length 19.9
  Top Layer w0.1: U1.B3@9.5,43.45 9.785,43.735 9.785,44.223 9.65,44.358 9.65,44.99 12.96,48.3 20.708,48.3 22.425,46.583 22.425,45.175 21.375,44.125 U8.F1@20.925,44.125
NetU1_C3: U1.C3 U8.G1 | length 21.4
  Top Layer w0.1: U1.C3@9.5,42.8 9.825,42.475 9.825,41.85 10.15,41.525 v2(10.15,41.5) ; v2(10.175,44.75) 10.175,44.949 13.126,47.9 20.441,47.9 22,46.341 22,45.542 21.383,44.925 21.375,44.925 U8.G1@20.925,44.925
  Bottom Layer w0.1: v2(10.15,41.5) 10.117,41.5 9.489,42.128 9.489,42.517 10.175,43.203 v2(10.175,44.75)
NetU1_J6: U1.J6 U8.A4 | length 11.1
  Top Layer w0.1: U1.J6@11.45,38.9 v2(11.45,39.55) ; v2(12.725,37.05) 13.125,36.65 14.85,36.65 17.975,39.775 18.175,39.775 U8.A4@18.525,40.125
  Bottom Layer w0.1: v2(11.45,39.55) 11.45,38.325 v2(12.725,37.05)
POWER: D2.A D4.A J1.8 L1.2 R20.2 | length 48.2
  Top Layer w0.2: L1.2@24.037,12.573 v1(25.108,12.573) ; v1(32.889,20.822) R20.2@32.889,21.365
  Top Layer w0.8: v1(22.987,7.62) D4.A@20.787,7.62 D2.A@20.787,10.414 22.107,10.414 24.037,12.344 L1.2@24.037,12.573
  Bottom Layer w0.2: v1(25.108,12.573) 26.748,12.573 32.888,18.713 v1(32.889,20.822)
  Bottom Layer w0.8: v1(22.987,7.62) 25.803,7.62 28.448,4.975 43.285,4.975 J1.8@45.72,2.54
UC_RESET: D6.3 J1.3 J3.5 R15.1 R16.2 R18.2 U2.29 | length 73.8
  Top Layer w0.2: v1(32.207,5.918) 32.207,3.353 J1.3@33.02,2.54 32.372,3.188 ; v1(35.873,20.953) 38.978,20.953 v1(42.275,24.25) 41.68,24.845 41.68,27.939 43.518,29.777 D6.3@43.518,31.115 ; v1(51.125,21.625) 51.575,22.075 53.053,22.075 U2.29@53.618,21.51 54.903,20.225 59.459,20.225 60.4,21.166 60.4,24.925 60.87,25.395 J3.5@63.622,25.395 ; J3.5@63.627,25.4 J3.5@63.622,25.395 ; R16.2@66.007,20.574 R15.1@66.007,21.59 R18.2@66.007,22.606 66.007,23.01 J3.5@63.622,25.395
  Bottom Layer w0.2: v1(32.207,5.918) 31.987,5.918 28.396,9.509 28.396,13.655 35.694,20.953 v1(35.873,20.953) ; v1(42.275,24.25) 44.255,22.27 50.48,22.27 v1(51.125,21.625)
USB_3V: C21.1 J1.4 SW2.1 U5.16 | length 83.9
  Top Layer w0.2: U5.16@10.825,25 v1(10.825,24.25) 10.825,23.65 10.871,23.604 10.871,23.404 11,23.275 C21.1@10.9,23.275 10.552,23.275 10.35,23.073 10.35,21.976 10.575,21.751 10.575,21.7 12.063,21.7 v1(14.025,19.738) ; SW2.1@11.11,49.58 11.24,49.45 v2(11.24,47.8) ; v1(29.227,6.334) 29.227,6.926 29.481,7.18 32.098,7.18 35.56,3.718 J1.4@35.56,2.54
  Bottom Layer w0.2: v1(10.825,24.25) 10.825,30.35 12.95,32.475 15.7,32.475 17.05,33.825 18.275,33.825 18.55,34.1 18.55,37.521 23.06,42.031 23.06,45.29 20.55,47.8 v2(11.24,47.8) ; v1(14.025,19.738) 17.686,16.077 17.686,12.532 20.005,10.213 25.348,10.213 v1(29.227,6.334)
USB_MCU_N: C19.2 F2.3 F2.4 J16.2 U5.15 | length 8.3
  Top Layer w0.2: J16.2@4.687,26.067 5.09,26.067 ccw(c5.09,26.66) 5.509,26.241 cw(c5.822,25.928) 5.822,26.37 6.36,26.37 cw(c6.36,25.96) F2.4@6.638,26.261 ; F2.4@6.591,26.25 ccw(c6.591,26.356) F2.4@6.638,26.261 ; F2.4@6.666,26.281 cw(c6.591,26.356) F2.4@6.638,26.261 ; U5.15@10.586,25.5 U5.15@10.825,25.5 10.824,25.501 10.253,25.501 ; F2.4@6.638,26.261 cw(c6.36,25.96) F2.4@6.65,26.25 F2.3@8.05,26.25 8.379,26.25 ccw(c8.379,26.421) 8.5,26.3 cw(c8.741,26.059) 8.741,26.4 8.845,26.4 cw(c8.845,25.696) 9.343,26.194 9.659,25.878 ; 9.659,25.878 cw(c9.198,25.418) 9.849,25.418 C19.2@9.849,25.167 cw(c10.129,25.167) 9.931,25.365 9.935,25.369 cw(c10.253,25.052) 10.253,25.501 ; 9.659,25.878 9.882,25.655 ccw(c10.253,26.025) 10.253,25.501
USB_MCU_P: C20.2 F2.1 F2.6 J16.3 U5.14 | length 8.7
  Top Layer w0.2: J16.3@4.687,25.417 5.102,25.417 cw(c5.102,24.852) 5.501,25.251 ccw(c5.867,25.617) 5.867,25.1 6.3,25.1 ccw(c6.3,25.583) 6.641,25.241 F2.6@6.65,25.25 F2.1@8.05,25.25 8.379,25.25 cw(c8.379,25.079) 8.5,25.2 v1(8.981,24.719) cw(c8.944,24.681) v1@8.997,24.681 ; F2.6@6.591,25.25 ccw(c6.591,25.356) F2.6@6.666,25.281 ; C20.2@9.901,27.262 9.901,26.945 ccw(c10.861,26.945) 10.182,26.266 ccw(c10.825,26.909) U5.14@10.825,26
  Bottom Layer w0.2: v1(8.981,24.719) 9.52,25.257 ccw(c8.489,26.288) 9.947,26.288 v1(9.947,26.501) ccw(c9.909,26.501) v1@9.936,26.528
USB_RX: SW2.5 U5.2 U6.2 | length 58.4
  Top Layer w0.1: SW2.5@3.49,50.85 3.5,50.84 v2(4.95,50.84)
  Top Layer w0.2: U5.2@14.55,29.225 14.55,29.666 15.48,30.596 20.146,30.596 v1(21.2,31.65) ; v1@28.855,27.255 U6.2@28.855,28.646
  Bottom Layer w0.1: v2(4.95,50.84) 4.95,50.041 6.891,48.1 20.63,48.1 23.31,45.42 23.31,41.927 18.8,37.417 18.8,34.55 19.085,34.265
  Bottom Layer w0.2: 19.085,34.265 21.2,32.15 v1(21.2,31.65) 21.2,30.823 21.593,30.43 21.61,30.43 23.55,28.49 27.62,28.49 v1(28.856,27.254)
USB_TX: SW2.4 U5.30 U6.5 | length 61.5
  Top Layer w0.1: SW2.4@3.49,52.12 v2(5,52.12)
  Top Layer w0.2: U5.30@15.775,27.5 16.999,27.5 17.049,27.55 17.5,28 17.5,28.724 18.962,30.186 20.986,30.186 v1(21.85,31.05) ; U6.5@30.805,28.646 v1@30.805,30.118
  Bottom Layer w0.1: v2(5,52.12) 5,51.214 5.25,50.964 5.25,50.249 7.199,48.3 20.713,48.3 23.51,45.503 23.51,41.845 19,37.335 19,34.99 19.395,34.595
  Bottom Layer w0.2: 19.395,34.595 21.85,32.14 21.85,30.88 23.76,28.97 30.34,28.97 30.784,29.414 v1(30.784,30.139)
pads on no net: AE1.GND F3.3 FD1. FD2. FD3. FD4. FD5. J1.1 SW3.3 SW3.4 U1.B1 U1.B10 U1.B11 U1.C2 U1.C8 U1.D1 U1.D3 U1.E3 U1.E9 U1.E10 U1.F3 U1.F9 U1.F10 U1.F11 U1.G1 U1.G2 U1.G3 U1.G10 U1.G11 U1.H9 U1.H11 U1.J2 U1.J3 U1.J11 U1.K1 U1.K10 U1.K11 U2.19 U2.22 U5.3 U5.5 U5.6 U5.7 U5.8 U5.9 U5.10 U5.11 U5.12 U5.13 U5.23 U5.25 U5.27 U5.28 U5.29 U5.32 U6.13 U6.14 U8.A3 U8.B3 U8.C4 U8.D3 U8.D4
copper on no net: | length 3.4
  Bottom Layer w0.3: 26.162,2.54 27.94,2.54
  Bottom Layer w0.5: 26.416,2.54 ccw(c26.162,2.54) 26.416,2.54

## Polygon pours and split planes (outlines as drawn)
GND on Bottom Layer "Top Layer-No Net" (hatched 90Degree grid 0.4 track 0.2, remove dead copper, pour order 4): 0,0 68.5,0 68.5,53.34 3.035,53.34 3.035,33.08 0.01,29.026
GND on Top Layer "Top Layer-No Net" (hatched 90Degree grid 0.4 track 0.2, remove dead copper, pour order 3): 0,0 68.5,0 68.5,53.34 3.035,53.34 3.035,33.08 0.01,29.026

## Keep-outs
Top Layer:
  rectangle net NetAE1_FEED: 3,44.848 3.58,45.848
  lines w1.15: 4,43.6 ccw(c5.086,43.6) 4.317,42.833 ; 4,43.625 4,44.575 ; 4.318,42.832 5.021,42.102
  lines w1.15 net NetAE1_FEED: 3.58,45.274 cw(c3.25,44.6) 4,44.6
Keep-Out Layer:
  circle w0.254: c15.24,50.79 r1.659
  circle w0.254: c66.04,35.55 r1.659
  circle w0.254: c66.04,7.61 r1.659
  circle w0.254: c13.97,2.53 r1.659
  circle w0.254: c24.287,36.653 r1.656
  circle w0.254: c44.28,36.66 r1.649
  circle w0.254: c44.288,16.728 r1.658
  circle w0.254: c24.29,16.66 r1.659
  lines w0.08: 2.86,44.773 2.86,48.045 2.86,53.34
  lines w0.254: -2.25,33.8 ccw(c-1.043,33.8) -1.896,32.946 -0.318,31.368 cw(c-1.086,30.6) 0,30.6 0,2.54 ccw(c2.54,2.54) 2.54,0 63.5,0 ccw(c63.5,2.54) 66.04,2.54 cw(c67.31,2.54) 67.31,3.81 ccw(c67.31,5.08) 68.58,5.08 68.58,38.1 ccw(c67.31,38.1) 67.31,39.37 cw(c67.31,40.64) 66.04,40.64 66.04,50.8 ccw(c63.5,50.8) 63.5,53.34 2.54,53.34 ccw(c2.54,50.8) 0,50.8 cw(c-1.086,50.8) -0.318,50.032 -1.896,48.454 ccw(c-1.043,47.6) -2.25,47.6 -2.25,33.8

## Other copper
Top Layer:
  rectangle net NetC11_2: 27.892,12.618 28.67,12.836
  rectangle net NetC11_2: 27.733,11.674 30.7,12.707
  rectangle net GND: 32.044,10.592 32.489,11.662
  rectangle net NetL2_1: 32.8,11.663 34.355,12.69
  rectangle net GND: 32.003,13.196 32.5,14.346
Bottom Layer:
  rectangle net GND: 30.249,10.944 33.252,13.946
  region net GND: 3,49.225 4.835,49.225 6.901,47.159 6.837,47.095 6.837,46.879 5.692,45.734 5.692,43.773 6.293,43.172 6.293,42.884 9.315,39.862 9.315,37.996 5.609,34.29 4.191,34.29 3,33.023 3,34.29

## Silkscreen, mask and mechanical layers (free items; w line width, h text height)
Top Overlay:
  drawing of 243 lines, arcs and shapes, not listed
  text "AT" at 12.75,50.9 h1 r90
  text "P" at 12.75,49.35 h1 r90
  text "AR" at 22.733,48.133 h2
  text "11" at 33.143,48.133 h2
  text "9" at 38.735,48.133 h2
  text "8" at 41.275,48.133 h2
  text "7" at 45.339,48.133 h2
  text "6" at 47.879,48.133 h2
  text "5" at 50.419,48.133 h2
  text "4" at 52.959,48.133 h2
  text "3" at 55.499,48.139 h2
  text "2" at 58.039,48.133 h2
  text "1" at 60.579,48.133 h2
  text "0" at 63.119,48.133 h2
  text "G" at 25.88,48.12 h2
  text "13" at 28.067,48.106 h2
  text "12" at 30.607,48.106 h2
  text "10" at 35.687,48.106 h2
  text "SCL" at 19.2,47.35 h1.4 r90
  text "SDA" at 21.73,47.077 h1.4 r90
  text "BT" at 9.55,46.1 h2
  text "G" at 26.035,45.72 h2
  text "V" at 26.035,43.18 h2
  text "D13" at 23.5,42.5 h2 r90
  text "S" at 26.289,40.64 h2
  text "13" at 28.067,38.608 h2
  text "12" at 30.607,38.608 h2
  text "11" at 33.143,38.608 h2
  text "9" at 38.735,38.608 h2
  text "8" at 41.275,38.608 h2
  text "7" at 45.43,38.608 h2
  text "6" at 47.879,38.608 h2
  text "5" at 50.419,38.608 h2
  text "4" at 52.959,38.608 h2
  text "3" at 55.499,38.608 h2
  text "2" at 58.039,38.608 h2
  text "1" at 60.579,38.608 h2
  text "0" at 63.119,38.608 h2
  text "10" at 35.687,38.581 h2
  text "BT_RST_EN" at 29.162,35.456 h1.5
  text "ICSP" at 63.312,32.022 h2
  text "RST_EN" at 24.451,29.27 h1.5 r90
  text "RX" at 20.55,27.6 h2
  text "TX" at 20.6,25.5 h2
  text "Zum" at 37.676,20.608 h3.5
  text "1" at 56.1,16.45 h4
  text "A0" at 45.974,13.716 h2
  text "A1" at 48.514,13.716 h2
  text "A2" at 50.927,13.716 h2
  text "A3" at 53.467,13.716 h2
  text "A4" at 56.134,13.716 h2
  text "A5" at 58.547,13.716 h2
  text "RST" at 63.373,13.335 h2 r90
  text "S" at 44.323,11.43 h2
  text "Rev2.6" at 64.6,9.808 h1.52
  text "V" at 44.196,8.89 h2
  text "By RdP" at 35.75,8.45 h2
  text "G" at 44.222,6.35 h2
  text "PWR" at 28.5,6.1 h2
  text "R" at 32.385,4.191 h2
  text "3V3" at 33.909,4.191 h2
  text "5V" at 37.338,4.191 h2
  text "VIN" at 44.45,4.191 h2
  text "A0" at 49.784,4.191 h2
  text "A1" at 52.324,4.191 h2
  text "A2" at 54.737,4.191 h2
  text "A3" at 57.277,4.191 h2
  text "A4" at 59.817,4.191 h2
  text "A5" at 62.357,4.191 h2
  text "GND" at 40.197,4.178 h2
Bottom Overlay:
  drawing of 31454 lines, arcs and shapes, not listed
  text "TX" at 62.1,48 h2
  text "RX" at 64.5,48 h2
  text "Model: BT-328" at 26.216,45.058 h2.2
  text "in Spain - bq.com" at 50.339,38.191 h2.2 r90
  text "Designed & Assembled" at 48.231,38.165 h2.2 r90
  text "bitbloq.bq.com" at 52.498,38.165 h2.2 r90
  text "5" at 58.85,32.7 h6 r90
  text "6" at 59.35,30.75 h7 r90
  text "7" at 61.2,21.35 h8 r90
  text "Zum Core" at 41.424,5.958 h3.5
  text "6 - 17 V" at 0.826,4.999 h2 r270
  text "IOREF" at 31.95,3.45 h1.4
  text "OFF/ON" at 24.261,1.173 h2
Mechanical 1:
  the board outline again, w0.254

## Text inside footprints (layer, text, board x,y; h text height)
SW2: Top Overlay "1" at 9.99,49.448 h0.76 r90; Top Overlay "2" at 9.99,50.591 h0.76 r90; Top Overlay "3" at 9.99,51.861 h0.76 r90